# Altium PCB Wolf-Lite_UM.PcbDoc
Units mm, origin at the board's own origin, x right, y up, seen from the top; angles counter-clockwise.
Board outline 136.3 x 62 mm, 2 copper layers (Top Layer, Bottom Layer), stack 1.671 mm thick; 150 components, 73 nets, 439 pads, 141 vias.
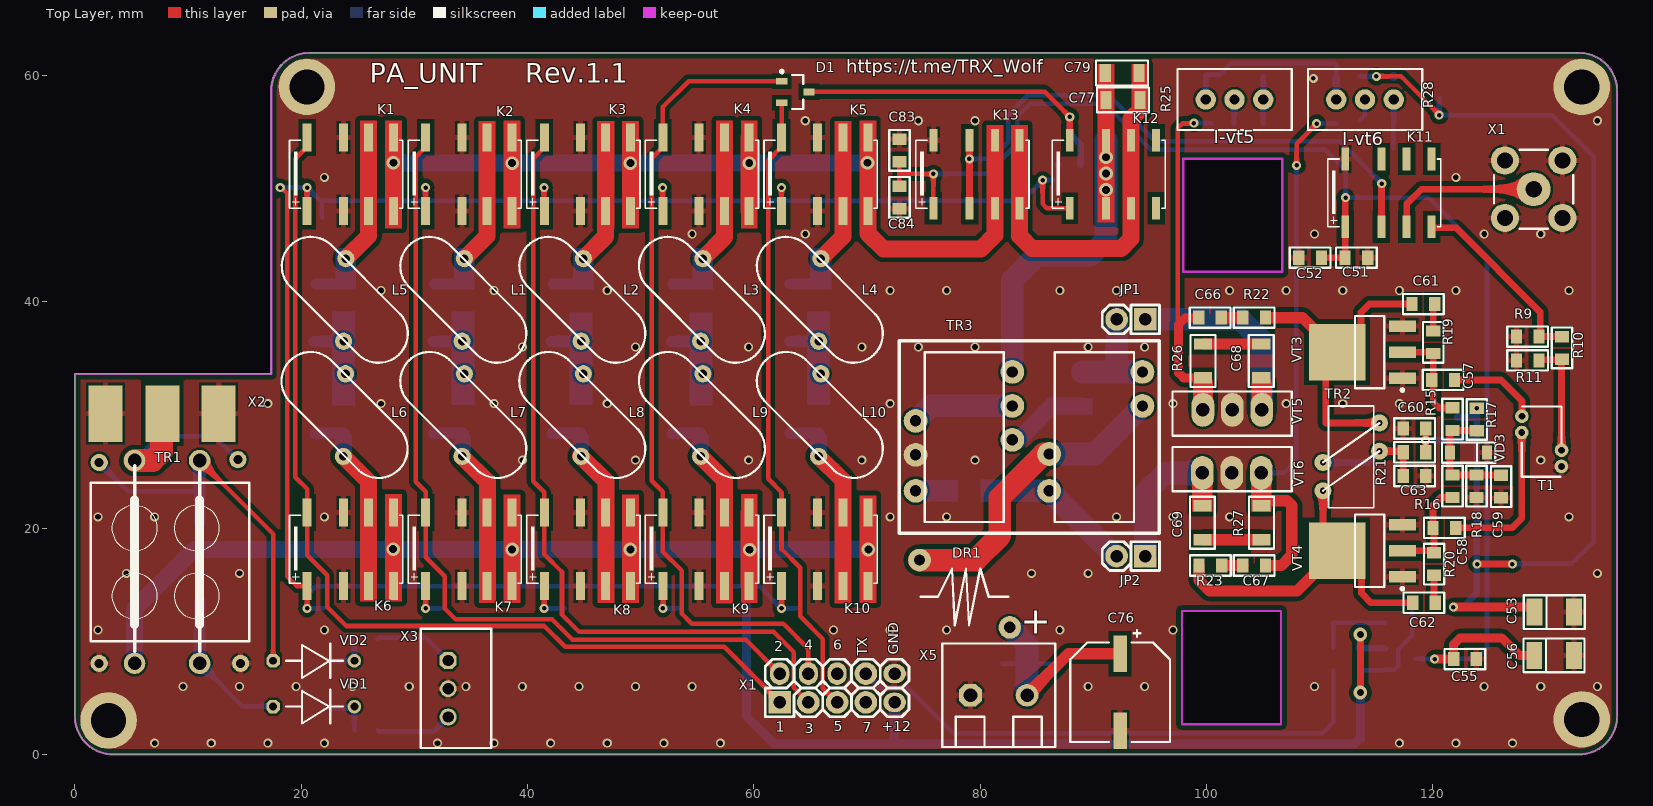
[diagram p0: Top Layer view]
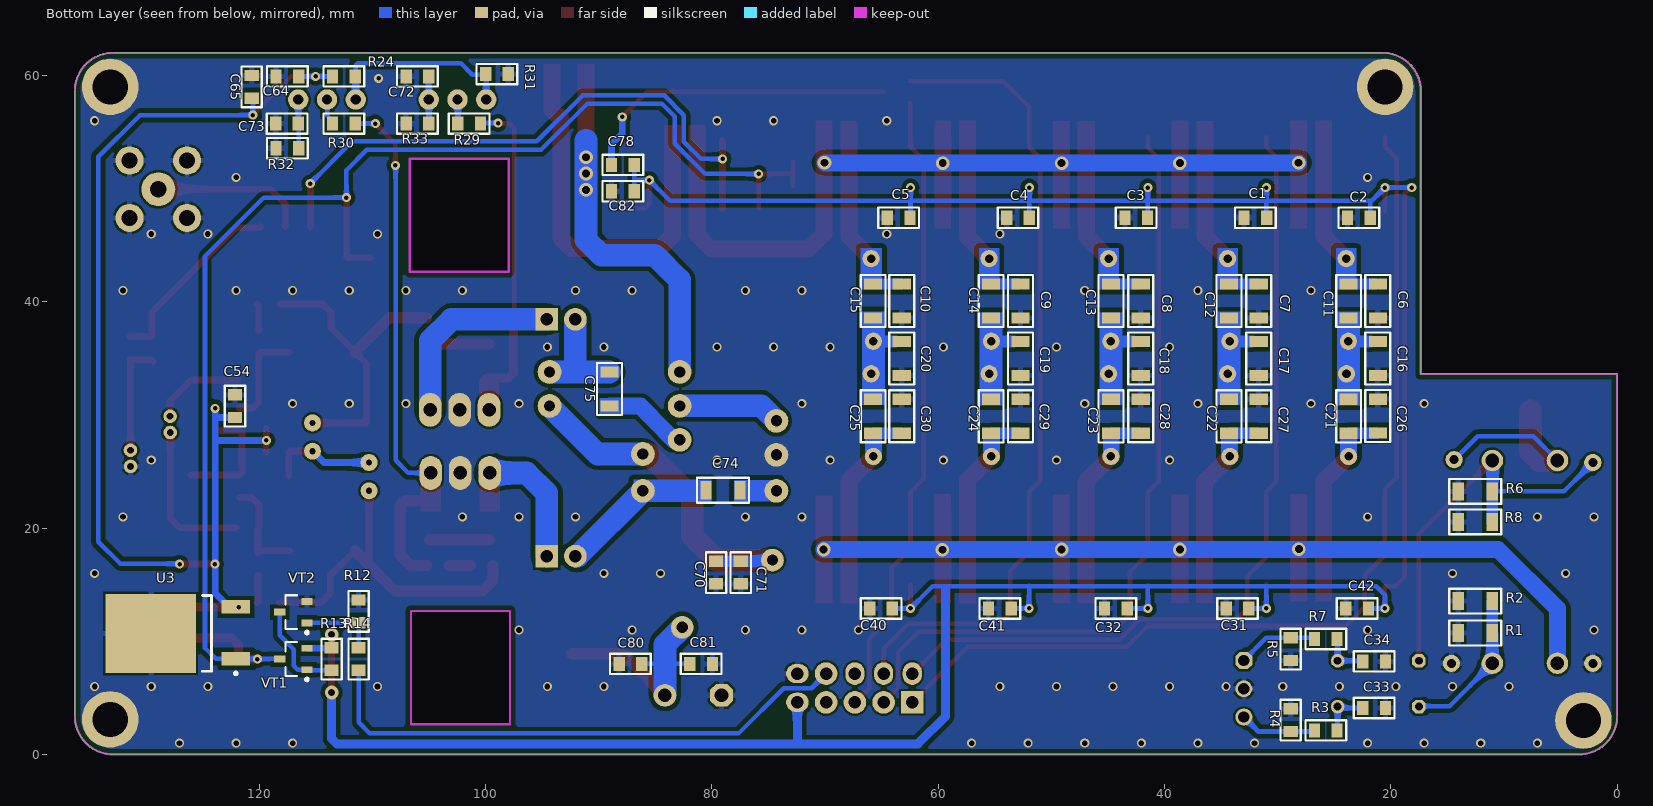
[diagram p1: Bottom Layer view, seen from below]

## Layer stack, top to bottom
Top Solder: solder mask 0.0102, Solder Resist, Dk 3.5
Top Layer: signal copper 0.0356
Dielectric 1: dielectric 1.6, FR-4, Dk 4.8
Bottom Layer: signal copper 0.0356
Bottom Solder: solder mask 0.0102, Solder Resist, Dk 3.5

## Board outline
3.375,0 cw(c3.375,3.375) 0,3.375 0,33.625 17.35,33.625 17.35,58.625 cw(c20.725,58.625) 20.725,62 132.925,62 cw(c132.925,58.625) 136.3,58.625 136.3,3.375 cw(c132.925,3.375) 132.925,0
cut-out: 97.95,42.65 97.95,52.65 106.7,52.65 106.7,42.65
cut-out: 97.85,2.675 97.85,12.675 106.6,12.675 106.6,2.675

## Design rules (kind name [scope] priority, off if disabled: settings)
BoardOutlineClearance [All] p1: gap=0.3 ignorepadtopadclearanceinfootprint=FALSE
Clearance ZAZOR [InNetClass('ZAZOR')] p1: gap=0.4 ignorepadtopadclearanceinfootprint=FALSE except(0.8: Arc-Fill Arc-Poly Arc-Region Track-Fill Track-Poly Track-Region SMDPad-Fill SMDPad-Poly SMDPad-Region THPad-Fill THPad-Poly THPad-Region Via-Fill Via-Poly Via-Region Fill-Fill Fill-Poly Fill-Region Poly-Poly Poly-Region Region-Region)
Clearance Clearance_NPTH [All vs InPadClass('NPTH')] p2: gap=0.4 ignorepadtopadclearanceinfootprint=FALSE except(0: Arc-Hole Track-Hole SMDPad-Hole THPad-Hole Via-Hole Fill-Hole Poly-Hole Region-Hole Text-Hole)
Clearance Clearance_MultiLayerPad [OnLayer('Multi-Layer') and IsPad] p3: gap=0.2 ignorepadtopadclearanceinfootprint=FALSE except(0: Arc-Hole Track-Hole SMDPad-Hole THPad-Hole Via-Hole Fill-Hole Poly-Hole Region-Hole Text-Hole)
Clearance Clearance_Polygon [InPolygon] p4: gap=0.4 ignorepadtopadclearanceinfootprint=FALSE except(0: Arc-Hole Track-Hole SMDPad-Hole THPad-Hole Via-Hole Fill-Hole Poly-Hole Region-Hole Text-Hole; 1: Poly-Poly)
Clearance [All] p5: gap=0.15 ignorepadtopadclearanceinfootprint=FALSE except(0: Arc-Hole Track-Hole SMDPad-Hole THPad-Hole Via-Hole Fill-Hole Poly-Hole Region-Hole Text-Hole)
Height [All] p1: minheight=0 maxheight=60 prefheight=12.7
HoleSize [All] p1: absolutevalues=TRUE maxlimit=5 minlimit=0.025 maxpercent=80.000 minpercent=20.000
HoleToHoleClearance [All] p1: gap=0.2 allowstackedmicrovias=TRUE
MinimumSolderMaskSliver [All] p1: minsoldermaskwidth=0.05
PlaneClearance [All] p1: clearance=0.5
PlaneConnect [All] p1: planeconnectstyle=Relief reliefexpansion=0.5 reliefentries=4 reliefconductorwidth=0.3 reliefairgap=0.2
PolygonConnect PolygonConnect_PowerPAD [All vs InPadClass('PowerPAD')] p1: connectstyle=Relief reliefconductorwidth=1 reliefentries=4 polygonreliefangle="90 Angle" airgapwidth=0.3
PolygonConnect PolygonConnect_PadGND [InNet('GND') and IsPad] p2: connectstyle=Relief reliefconductorwidth=0.5 reliefentries=4 polygonreliefangle="90 Angle" airgapwidth=0.2
PolygonConnect PolygonConnect_Via [IsVia] p3: connectstyle=Direct reliefconductorwidth=0.254 reliefentries=4 polygonreliefangle="90 Angle" airgapwidth=0.254
PolygonConnect [All] p4: connectstyle=Relief reliefconductorwidth=0.6 reliefentries=4 polygonreliefangle="90 Angle" airgapwidth=0.3
RoutingVias [All] p1: holewidth=0.3 width=0.7 viastyle="Through Hole" minholewidth=0.3 minwidth=0.7 maxholewidth=0.5 maxwidth=1.2
SilkToSilkClearance [All] p1: silktosilkclearance=0
SilkToSolderMaskClearance [IsPad] p1: minsilkscreentomaskgap=0.05 clearancetoexposedcopper=TRUE
SolderMaskExpansion [All] p1: expansion=0.075 istentingtop=FALSE
Width [All] p1: maxlimit=10 minlimit=0.15 preferedwidth=0.4
22 further rules are at their usual default settings.

## Classes and differential pairs
component class Wolf-Lite_LPF: C1 C2 C3 C4 C5 C6 C7 C8 C9 C10 C11 C12 C13 C14 C15 C16 C17 C18 C19 C20 C21 C22 C23 C24 C25 C26 C27 C28 C29 C30 C31 C32 C33 C34 C40 C41 C42 D1 K1 K2 K3 K4 K5 K6 K7 K8 K9 K10 L1 L2 L3 L4 L5 L6 L7 L8 L9 L10 R1 R2 R3 R4 R5 R6 R7 R8 TR1 VD1 VD2 X1 X2 X3
component class Wolf-Lite_UM: C51 C52 C53 C54 C55 C56 C57 C58 C59 C60 C61 C62 C63 C64 C65 C66 C67 C68 C69 C70 C71 C72 C73 C74 C75 C76 C77 C78 C79 C80 C81 C82 C83 C84 DR1 JP1 JP2 K11 K12 K13 R9 R10 R11 R12 R13 R14 R15 R16 R17 R18 R19 R20 R21 R22 R23 R24 R25 R26 R27 R28 R29 R30 R31 R32 R33 T1 TR2 TR3 U3 VD3 VT1 VT2 VT3 VT4 VT5 VT6 X1 X5

## Components (designator, comment, footprint, x,y, rotation, side; value= is the part's Value field where it differs from the comment)
C1 "0.1" CH0805C 31.975,47.425 r180 bottom
C2 "0.1" CH0805C 22.825,47.425 r180 bottom
C3 "0.1" CH0805C 42.5,47.425 r180 bottom
C4 "0.1" CH0805C 52.95,47.425 r180 bottom
C5 "0.1" CH0805C 63.5,47.425 r180 bottom
C6 "1.5nF" CH1206C 21.15,40.075 r270 bottom
C7 "1n" CH1206C 31.675,40.075 r270 bottom
C8 "470p" CH1206C 42.1,40.075 r270 bottom
C9 "157p" CH1206C 52.725,40.075 r270 bottom
C10 "100p" CH1206C 63.225,40.075 r270 bottom
C11 "220p" CH1206C 23.725,40.075 r90 bottom
C12 "100p" CH1206C 34.3,40.075 r90 bottom
C13 "47p" CH1206C 44.725,40.075 r90 bottom
C14 "33p" CH1206C 55.325,40.075 r90 bottom
C15 "22p" CH1206C 65.75,40.075 r90 bottom
C16 "3nF" CH1206C 21.15,34.988 r270 bottom
C17 "2nF" CH1206C 31.675,34.987 r270 bottom
C18 "1n" CH1206C 42.1,34.988 r270 bottom
C19 "330p" CH1206C 52.725,34.987 r270 bottom
C20 "200p" CH1206C 63.225,34.988 r270 bottom
C21 "220p" CH1206C 23.725,29.875 r90 bottom
C22 "100p" CH1206C 34.3,29.875 r90 bottom
C23 "47p" CH1206C 44.725,29.875 r90 bottom
C24 "33p" CH1206C 55.325,29.875 r90 bottom
C25 "22p" CH1206C 65.75,29.884 r90 bottom
C26 "1.5nF" CH1206C 21.15,29.9 r90 bottom
C27 "1n" CH1206C 31.675,29.884 r90 bottom
C28 "470p" CH1206C 42.1,29.884 r90 bottom
C29 "157p" CH1206C 52.725,29.884 r90 bottom
C30 "100p" CH1206C 63.225,29.884 r90 bottom
C31 "0.1" CH0805C 33.55,12.9 r180 bottom
C32 "0.1" CH0805C 44.3,12.9 r180 bottom
C33 "0.1" CH0805C 21.475,4.1 r180 bottom
C34 "0.1" CH0805C 21.475,8.225 r180 bottom
C40 "0.1" CH0805C 65.05,12.9 r180 bottom
C41 "0.1" CH0805C 54.55,12.9 r180 bottom
C42 "0.1" CH0805C 22.975,12.9 r180 bottom
C51 "0.1" CH0805C 113.25,43.9 r180 top
C52 "0.1" CH0805C 109.175,43.9 r180 top
C53 "22x16" TANTAL_B 130.75,12.575 r0 top
C54 "0.1" CH0805C 122.15,30.775 r270 bottom
C55 "0.1" CH0805C 122.85,8.425 r180 top
C56 "22x16" TANTAL_B 130.725,8.75 r0 top
C57 "10n" CH0805C 120.925,33.1 r180 top
C58 "10n" CH0805C 121.025,20.025 r180 top
C59 "0.1" CH0805C 126.05,23.675 r270 top
C60 "0.1" CH0805C 118.396,28.8 r0 top
C61 "10n" CH0805C 119.175,39.8 r180 top
C62 "10n" CH0805C 119.225,13.4 r180 top
C63 "0.1" CH0805C 118.396,24.6 r180 top
C64 "0.1" CH0805C 117.525,59.925 r0 bottom
C65 "0.1" CH0805C 120.675,59 r90 bottom
C66 "10n" CH0805C 100.325,38.6 r180 top
C67 "10n" CH0805C 104.225,16.7 r0 top
C68 "10n" CH1206C 104.845,34.775 r270 top
C69 "10n" CH1206C 99.65,20.475 r90 top
C70 "0.1" CH0805C 79.625,16.075 r270 bottom
C71 "0.1" CH0805C 77.45,16.075 r270 bottom
C72 "0.1" CH0805C 106.025,59.925 r180 bottom
C73 "0.1" CH0805C 117.55,55.75 r180 bottom
C74 "0.1" CH1206C 79.025,23.35 r180 bottom
C75 "0.1" CH1206C 89.05,32.3 r270 bottom
C76 "220x35" D8C3.2H12 92.375,5.499 r270 top
C77 "100p" CH1206C 92.625,57.85 r180 top
C78 "0.1" CH0805C 87.875,52.1 r180 bottom
C79 "100p" CH1206C 92.55,60.225 r180 top
C80 "0.1" CH0805C 87.2,8 r180 bottom
C81 "0.1" CH0805C 80.95,8 r0 bottom
C82 "0.1" CH0805C 87.875,49.775 r180 bottom
C83 "0.1" CH0805C 72.875,53.375 r270 top
C84 "0.1" CH0805C 72.875,49.225 r90 top
D1 "BAT54A" SOT23_132#1 63.675,58.55 r0 top
DR1 "10uH" DR2 80.65,14.175 r270 top
JP1 "JP1" "CON: PLS-2" 93.333,38.45 r180 top
JP2 "JP2" "CON: PLS-2" 93.333,17.525 r180 top
K1 "Relay_IM06 GR 12v to BPF" IM06 24,51.275 r0 top
K2 "Relay_IM06 GR 12v to BPF" IM06 34.481,51.275 r0 top
K3 "Relay_IM06 GR 12v to BPF" IM06 44.962,51.275 r0 top
K4 "Relay_IM06 GR 12v to BPF" IM06 55.444,51.275 r0 top
K5 "Relay_IM06 GR 12v to BPF" IM06 65.925,51.275 r0 top
K6 "Relay_IM06 GR 12v to BPF" IM06 24,18.125 r0 top
K7 "Relay_IM06 GR 12v to BPF" IM06 34.481,18.125 r0 top
K8 "Relay_IM06 GR 12v to BPF" IM06 44.962,18.125 r0 top
K9 "Relay_IM06 GR 12v to BPF" IM06 55.444,18.125 r0 top
K10 "Relay_IM06 GR 12v to BPF" IM06 65.925,18.125 r0 top
K11 "IM06" IMG06 115.75,49.625 r0 top
K12 "IM06" IMG06 91.4,51.275 r0 top
K13 "IM06" IMG06 79.35,51.275 r0 top
L1 "1,9 uH" T50-2 34.225,40.05 r225 top
L2 "1uH" T50-6 44.883,40.05 r225 top
L3 "0,6 uH" T50-6 55.45,40.05 r225 top
L4 "0,26 uH" T50-6 65.875,40.05 r225 top
L5 "3.9 uH" T50-2 23.75,40.05 r225 top
L6 "3,9 uH" T50-2 23.725,29.875 r225 top
L7 "1,9 uH" T50-2 34.225,29.875 r225 top
L8 "1uH" T50-6 44.883,29.875 r225 top
L9 "0,6 uH" T50-6 55.45,29.875 r225 top
L10 "0,26 uH" T50-6 65.875,29.875 r225 top
R1 "100" CH1206R 12.537,10.725 r0 bottom
R2 "100" CH1206R 12.537,13.55 r0 bottom
R3 "0" CH0805R 25.75,2.125 r0 bottom
R4 "510" CH0805R 28.85,3.025 r270 bottom
R5 "510" CH0805R 28.85,9.3 r90 bottom
R6 "100" CH1206R 12.537,23.25 r0 bottom
R7 "0" CH0805R 25.75,10.2 r0 bottom
R8 "100" CH1206R 12.537,20.55 r0 bottom
R9 "300" CH0805R 128.4,36.925 r0 top
R10 "18" CH0805R 131.425,35.925 r270 top
R11 "300" CH0805R 128.4,34.825 r0 top
R12 "10K" CH0805R 111.219,12.65 r270 bottom
R13 "10K" CH0805R 113.607,8.425 r90 bottom
R14 "1K" CH0805R 111.219,8.425 r90 bottom
R15 "330" CH0805R 121.75,29.625 r90 top
R16 "330" CH0805R 121.75,23.7 r90 top
R17 "150*" CH0805R 123.9,29.6 r90 top
R18 "330" CH0805R 123.875,23.7 r90 top
R19 "330" CH0805R 120.05,36.425 r270 top
R20 "330" CH0805R 120.125,16.825 r90 top
R21 "10" CH0805R 118.396,26.7 r180 top
R22 "33" CH0805R 104.225,38.6 r180 top
R23 "33" CH0805R 100.35,16.7 r0 top
R24 "330" CH0805R 112.525,59.925 r180 bottom
R25 "" "RES: 3296W" 99.944,57.875 r0 top
R26 "2,2K" CH1206R 99.7,34.775 r90 top
R27 "2,2K" CH1206R 104.875,20.475 r270 top
R28 "" "RES: 3296W" 111.475,57.875 r0 top
R29 "1K" CH0805R 101.45,55.75 r180 bottom
R30 "1K" CH0805R 112.525,55.75 r180 bottom
R31 "1K" CH0805R 99,60.125 r180 bottom
R32 "2.2K" CH0805R 117.525,53.575 r0 bottom
R33 "2.2K" CH0805R 106.025,55.75 r0 bottom
T1 "BN-43-302" FT-37-43 130.475,24.65 r180 top
TR1 "BN43-302" TANDEM 7.9,17 r90 top
TR2 "TR-kolco" TR-Kolco 110.8,30.775 r0 top
TR3 "TR-UM" TR-UM 72.8,36.475 r0 top
U3 "LM7809" DPAK 125.325,10.75 r0 bottom
VD1 "BAT46JFILM" D9B 20.75,4 r90 top
VD2 "BAT46JFILM" D9B 20.75,8.05 r90 top
VD3 "1N4148" SOD123 121.525,26.675 r0 top
VT1 "IRFR6402" SOT23_132#2 116.992,8.425 r0 bottom
VT2 "" SOT23_123 116.992,12.575 r0 bottom
VT3 "BFG591" BFG 120.95,35.65 r180 top
VT4 "BFG591" BFG 120.95,18.1 r180 top
VT5 "RD16HHF1" rd16 101.772,34.175 r0 top locked
VT6 "RD16HHF1" rd16 102.775,21.15 r180 top locked
X1 "PLD10" "CON: PLD-10" 67.365,5.87 r0 top
X1 "TX-IN" "CON: SMA" 128.925,49.95 r0 top
X2 "TX/RX" Connect 7.711,30.396 r90 top
X3 "" "CON: CWF-3" 32.988,5.806 r270 top
X5 "" "CON: 300-02P-5.0" 81.65,5.225 r0 top

## Footprints (in the part's own frame and the unit in brackets; to place one, negate y for a bottom-side part, rotate by r counter-clockwise, add the part's x,y. Pads: shape width x height; smd on the part's side, far side on the other; paste and mask are expansions set on the pad)
BFG [mm]
  rect 5x5 smd: 1(9.4,0.1)
  rect 2.4x1 smd: 2(3.625,0.1) 3(3.625,-2.2) 3(3.625,2.4)
  round 0.5 on Mech1: ""(3.525,2.8)
  silkscreen extent 3.5,-3.1 7.82,3.57, body extent 3.05,-3.27 10.01,3.22, height 1.65
CH0805C [mm] "Chip Capacitor, 2-Leads, Body 2,00x1,20mm, IPC Medium Density"
  rect 1x1.25 smd: 1(-1,0) 2(1,0)
  silkscreen extent -1.8,-0.9 1.8,0.9, body extent -1,-0.62 1,0.63, height 0.78
CH0805R [mm]
  rect 1x1.25 smd: 1(-1,0) 2(1,0)
  silkscreen extent -1.8,-0.9 1.8,0.9, body extent -1,-0.6 1,0.6, height 0.44
CH1206C [mm] "Non polar chip capacitor, size 1206"
  rect 1x1.6 smd: 1(-1.5,0) 2(1.5,0)
  silkscreen extent -2.3,-1.1 2.3,1.1, body extent -1.6,-0.8 1.6,0.8, height 1
CH1206R [mm] "Chip Resistor, 2-Leads, Body 3,0x1,5mm, IPC Low Density"
  rect 1x1.6 smd: 1(-1.5,0) 2(1.5,0)
  silkscreen extent -2.3,-1.1 2.3,1.1, body extent -1.65,-0.8 1.55,0.8, height 0.47
"CON: 300-02P-5.0" [mm] "2 pin 5.08mm screw connector"
  oct 2x2 hole 1.2: 1(-2.5,0)
  round 2 hole 1.2: 2(2.5,0)
  round 0.5 on Mech1: 13(-4.4,-3.9)
  silkscreen extent -5,-4.57 5,4.57, body extent -5.08,-4.44 5.08,4.56, height 12.5
"CON: CWF-3" [mm]
  oct 1.5x1.5 hole 1: 1(-2.5,0)
  round 1.5 hole 1: 2(0,0) 3(2.5,0)
  round 0.5 on Mech1: 28(-4.5,-1.7)
  silkscreen extent -5.29,-2.41 5.25,3.81, body extent -5,-2.2 5,3.55, height 7
"CON: PLD-10" [mm]
  rect 2x2 hole 1.1: 1(-5.08,-1.27)
  oval 1.7x2 hole 1.1: 2(-5.08,1.27) 4(-2.54,1.27) 6(0,1.27)
  round 2 hole 1.1: 3(-2.54,-1.27) 5(0,-1.27) 7(2.54,-1.27) 8(2.54,1.27)
  oval 2x1.7 hole 1.1: 9(5.08,-1.27) 10(5.08,1.27)
  silkscreen extent -6.35,-2.54 6.35,2.54, body extent -6.35,-2.54 6.35,2.54, height 8.54
"CON: PLS-2" [mm]
  rect 2x2 hole 1.1: 1(-1.27,0)
  round 2 hole 1.1: 2(1.27,0)
  silkscreen extent -2.54,-1.27 2.54,1.27, body extent -2.57,-1.28 2.51,1.26, height 8.54
"CON: SMA" [mm]
  round 3 hole 1.45: 1(0,0)
  round 2.5 hole 1.4: 2(-2.54,-2.54) 2(-2.54,2.54) 2(2.54,-2.54) 2(2.54,2.54)
  silkscreen extent -3.5,-3.5 3.5,3.5, body extent -3.5,-3.5 3.5,3.5, height 9.53
Connect [mm]
  rect 5x3 smd: 1(-0.271,-0.014) 2(-0.271,5) 2(-0.271,-5)
D8C3.2H12 [mm]
  rect 3.2x1.2 smd: 1(-3.4,0) 2(3.4,0)
  round 0.5 on Mech1: ""(-4.3,-3.7)
  silkscreen extent -5.5,-4.4 4.4,4.4, body extent -4.85,-4.25 4.85,4.25, height 10.5
D9B [mm] "Диод"
  oct 1.2x1.2 hole 0.7: 1(0.225,3.225)
  round 1.2 hole 0.7: 2(0.225,-3.95)
  silkscreen extent -1.27,-2.93 1.73,2.07, body extent -0.77,-4.13 1.23,3.37, height 3
DPAK [mm] "D-Pak, Body 6,2x6,7mm"
  rect 2.5x1.2 smd: 1(-3.25,2.29) 3(-3.25,-2.29)
  rect 8x7 smd: 2(4.25,0.075)
  round 0.5 on Mech2: ""(-3.2,2.9)
  silkscreen extent -3.37,-3.3 -0.3,3.71, body extent -3.8,-3.32 6.3,3.42, height 2.37
DR2 [mm]
  round 2 hole 1: 1(-3,-6) 2(2.95,1.975)
  silkscreen extent -2.25,-5.89 2.75,1.86, body extent -3.4,-6.4 3.4,2.4, height 7.8
FT-37-43 [mm]
  round 1.2 hole 0.6: 1(-0.911,-2.234) 2(2.589,-5.234) 3(-0.9,-0.8) 4(2.6,-3.8)
  silkscreen extent -0.9,-6.1 2.6,0.1, body extent 0,-5.98 1.65,-0.03, height 5.97
IM06 [mm]
  rect 0.8x2.5 smd: 1(-3.475,-3.25) 2(-0.275,-3.25) 3(1.95,-3.25) 4(4.15,-3.25) 5(4.15,3.25) 6(1.95,3.25) 7(-0.275,3.25) 8(-3.475,3.25)
  silkscreen extent -5.02,-3 4.98,3, body extent -4.68,-3.72 5.32,3.78, height 5.7
IMG06 [mm]
  rect 0.7x2 smd: 1(-3.475,-3) 2(-0.275,-3) 3(1.95,-3) 4(4.15,-3) 5(4.15,3) 6(1.95,3) 7(-0.275,3) 8(-3.475,3)
  silkscreen extent -5.02,-3 4.98,3, body extent -4.68,-3.72 5.32,3.78, height 5.7
rd16 [mm] "RD16"
  oval 2x3 hole 1.2: 1(-2.075,-3.725) 2(0.525,-3.725) 3(3.125,-3.725)
  silkscreen extent -4.77,-6.01 5.77,-2.11, body extent -4.25,-4.01 5.25,19.6, height 1.19
"RES: 3296W" [mm]
  round 1.8 hole 0.9: 1(0,0) 2(2.54,0) 3(5.08,0)
  round 0.5 on Top Overlay: 4(-3,2.5)
  silkscreen extent -2.5,-2.7 7.6,2.7, body extent -2.22,-2.4 7.31,2.4, height 11.55
SOD123 [mm]
  rect 0.91x1.22 smd: 1(0,0) 2(3.275,0)
  round 0.5 on Mech1: 4(3,0.4)
  silkscreen extent -0.7,-0.9 4,0.9, body extent -0.25,-0.8 3.45,0.8, height 1.25
SOT23_123 [mm] "SOT23, 3-Leads, Body 3,0x2,6mm (max), Pitch 0,95mm, IPC Medium Density"
  rect 1x0.6 smd: 1(-1.2,0.95) 2(1.2,0) 3(-1.2,-0.95)
  round 0.5 on Mech2: ""(-0.9,1.1)
  silkscreen extent -1.32,-1.5 0.7,1.92, body extent -1.32,-1.52 1.32,1.52, height 1.12
SOT23_132#1 [mm] "SOT23, 3-Leads, Body 3,0x2,6mm (max), Pitch 0,95mm, IPC Medium Density"
  rect 1x0.6 smd: 1(-1.2,0.95) 2(-1.2,-0.95) 3(1.2,0)
  round 0.5 on Mech1: ""(-0.9,1.1)
  silkscreen extent -1.32,-1.5 0.7,1.92, body extent -1.32,-1.52 1.32,1.52, height 1.12
SOT23_132#2 [mm] "SOT23, 3-Leads, Body 3,0x2,6mm (max), Pitch 0,95mm, IPC Medium Density"
  rect 1x0.6 smd: 1(-1.2,0.95) 2(-1.2,-0.95) 3(1.2,0)
  round 0.5 on Mech2: ""(-0.9,1.1)
  silkscreen extent -1.32,-1.5 0.7,1.92, body extent -1.32,-1.52 1.32,1.52, height 1.12
T50-2 [mil]
  round 60 hole 30: 1(-110.24,-99.41) 2(98.43,98.42)
  silkscreen extent -108,-268 95,267, body extent -96,-256 85,256, height 515
T50-6 [mil]
  round 60 hole 30: 1(-106.3,-103.35) 2(102.36,94.49)
  silkscreen extent -104,-272 99,263, body extent -93,-260 89,252, height 515
TANDEM [mm]
  round 1.9 hole 1.2: 1(-8.95,-3.125) 2(8.975,-3.125) 3(8.975,2.625) 4(-8.95,2.625)
  round 1.524 hole 0.8: 5(-8.95,5.75) 6(9.05,-6.5) 7(-8.95,-6.75) 8(8.8,5.75)
  silkscreen extent -7.88,-7.5 8.5,6.5, body extent -4.8,-7 5.45,6.2, height 7.55
TANTAL_B [mm]
  rect 1.4x2.4 smd: 1(-1.75,0) 2(1.75,0)
  round 0.5 on Mech1: ""(-1.4,1)
  silkscreen extent -2.7,-1.5 2.7,1.5, body extent -1.85,-1.46 1.85,1.47, height 2.03
TR-Kolco [mm]
  round 1.5 hole 0.55: 1(4.5,-1.475) 2(-0.5,-4.975) 3(4.5,-3.975) 4(-0.5,-7.475)
  silkscreen extent -0.5,-8.97 4.5,0.03, body extent 0.78,-7.5 3.28,-1.2, height 6.35
TR-UM [mm]
  round 2.1 hole 1: 1(21.55,-2.675) 2(13.3,-13.175) 3(10.05,-8.675) 4(1.5,-13.175) 5(13.3,-9.925) 5(21.55,-5.675) 6(10.05,-2.675) 7(1.5,-10) 8(10.05,-5.675) 9(1.5,-7)
  silkscreen extent 0.05,-16.92 23.05,0.08, body extent 2.6,-14.67 20.6,-1.97, height 12.7

## Part data
C1 C2 C3 C4 C5 C6 C7 C8 C9 C10 C11 C12 C13 C14 C15 C16 C17 C18 C19 C20 C21 C22 C23 C24 C25 C26 C27 C28 C29 C30 C31 C32 C40 C41 C42: library part C_smd
C33 C34 C51 C52 C54 C55 C57 C58 C59 C60 C61 C62 C63 C64 C65 C66 C67 C68 C69 C70 C71 C72 C73 C74 C75 C77 C78 C79 C80 C81 C82 C83 C84: library part Capacitor
C53 C56 C76: library part AlumCap
D1: library part BAT54
DR1: library part Inductor-1
JP1: library part JP2
K11 K12 K13: library part IM06-1
L1 L2 L3 L4 L5 L6 L7 L8 L9 L10: library part L
R1 R2 R3 R4 R5 R6 R7 R8 R9 R10 R11 R12 R13 R14 R15 R16 R17 R18 R19 R20 R21 R22 R23 R24 R26 R27 R29 R30 R31 R32 R33: library part Resistor
R25 R28: library part "ADJ resistor"
U3: library part Kren_5
VD1 VD2 VD3: library part Diod
VT1: library part P-KANAL
VT2 VT3 VT4: library part N-P-N
VT5 VT6: library part N
X1: library part 10-Connector
X1 X2: library part SMA, "RF", System=Connector
X3: library part 3-Connector
X5: library part 2-Connector

## Free pads (board coordinates)
  round 5 hole 3.1: 3(2.975,3) 3(20.5,59) 3(133.175,3.1) 3(133.175,59)

## Via types
v1: diameter 0.8, hole 0.5, Top Layer to Bottom Layer, tented both sides, 97 vias
v2: diameter 0.8, hole 0.4, Top Layer to Bottom Layer, tented both sides, 29 vias
v3: diameter 1.2, hole 0.7, Top Layer to Bottom Layer, 13 vias
v4: diameter 1.2, hole 0.6, Top Layer to Bottom Layer, tented both sides, 2 vias

## Nets (pads, with @x,y where several pads share a name; then routed paths per layer and width w, separated by ;. In a path a pad name is that pad's centre, name@x,y a point inside that pad or via, vN(x,y) a via of type N, cw(c..) or ccw(c..) an arc to the next point about the centre after c; other vN are vias at no path point)
1.8: K1.8 K6.8 X1.1@62.285,4.6 | length 86.6
  Top Layer w0.4: K1.8 20.525,53.7 19.475,52.65 19.475,24.5 20.525,23.45 K6.8 20.525,17.6 22.3,15.825 22.3,13.025 23.975,11.35 41.475,11.35 43.325,9.5 57.385,9.5 X1.1@62.285,4.6
3.5: K2.8 K7.8 X1.2@62.285,7.14 | length 75
  Top Layer w0.4: K2.8 31.006,53.681 30.125,52.8 30.125,24.1 31.006,23.219 K7.8 31.006,17.419 32.675,15.75 32.675,12.9 33.65,11.925 42.175,11.925 43.95,10.15 59.275,10.15 X1.2@62.285,7.14
5.8: K3.8 K8.8 X1.3 | length 70.5
  Top Layer w0.4: K3.8 41.487,53.637 40.5,52.65 40.5,24.15 41.487,23.163 K8.8 41.487,17.688 43.05,16.125 43.05,12.35 44.575,10.825 61.75,10.825 63.55,9.025 63.55,5.901 64.825,4.626 X1.3
8-17: D1.1 K4.8 K9.8 X1.4 | length 72.4
  Top Layer w0.4: D1.1 54.25,59.5 51.969,57.219 K4.8 51.969,53.669 50.975,52.675 50.975,24.2 51.969,23.206 K9.8 51.969,17.906 53.625,16.25 53.625,12.45 54.525,11.55 62.625,11.55 64.825,9.35 X1.4
17-32: D1.2 K5.8 K10.8 X1.5 | length 56
  Top Layer w0.4: D1.2 62.475,54.55 K5.8 62.45,53.7 61.275,52.525 61.275,24.35 62.45,23.175 K10.8 62.45,18.15 64.1,16.5 64.1,12.2 66.115,10.185 66.115,5.85 X1.5
+9: C53.1 C54.2 C60.2 C64.1 C65.1 R17.2 R21.1 R24.1 U3.3 | length 104.9
  Top Layer w0.4: v2(115.025,59.925) 117.2,59.925 v2@120.575,56.55
  Top Layer w0.6: R21.1 C60.2 ; v2(123.925,16.825) v2(127.05,16.825)
  Top Layer w0.8: v2(121.825,13.025) C53.1@129.025,13.025
  Bottom Layer w0.4: R24.1 C64.1 ; C65.1 120.575,57.9 v2(120.575,56.5) 130.55,56.5 134.225,52.825 134.225,18.8 132.275,16.85 v2@126.975,16.85
  Bottom Layer w0.6: v2(119.375,27.75) 123.775,27.75 ; C54.2 123.825,29.775 123.9,29.7 ; U3.3@123.05,13.4 123.9,14.25 123.9,29.7 ; v2(123.9,30.58) 123.9,29.7
+12: C1.2 C2.2 C3.2 C4.2 C5.2 C31.2 C32.2 C40.2 C41.2 C42.2 C78.2 C82.2 K1.1 K2.1 K3.1 K4.1 K5.1 K6.1 K7.1 K8.1 K9.1 K10.1 K12.1 R13.2 VT1.2 X1.9 | length 288.1
  Top Layer w0.4: v2@18.275,50.075 18.775,49.575 18.775,15.725 19.625,14.875 K6.1 v2@20.525,12.725 ; K1.1 v2(20.525,50.1) ; v2@31,12.875 K7.1@31,15.025 ; K2.1@31,47.875 v2@31,49.95 ; v2@41.475,12.85 K8.1@41.475,15 ; K3.1@41.475,47.8 v2@41.475,49.875 ; K4.1@51.95,47.75 v2@51.95,49.825 ; v2@51.975,12.825 K9.1@51.975,14.975 ; v2@62.45,12.85 K10.1@62.45,15 ; K5.1@62.45,47.75 v2@62.45,49.825 ; v2(85.525,50.75) 85.525,48.65 85.9,48.275 K12.1
  Top Layer w0.6: v4(113.615,5.469) v4(113.615,10.6)
  Bottom Layer w0.4: v2(18.15,50.1) v2(20.525,50.1) 21.7,48.925 ; C2.2@21.875,47.425 21.8,47.5 21.8,48.825 21.7,48.925 ; C42.2 v2(20.525,12.9) 20.525,14.1 21.275,14.85 30.975,14.85 ; C1.2 31,47.45 31,48.925 ; v2(31,50.1) 31,48.925 ; C31.2 v2(31,12.9) 31,14.825 30.975,14.85 ; C3.2@41.45,47.425 41.475,47.45 41.475,48.925 ; v2(41.475,50.1) 41.475,48.925 ; C32.2 v2(41.475,12.9) 41.475,14.825 41.5,14.85 ; C4.2 51.95,48.9 51.925,48.925 ; v2(51.95,50.1) 51.95,48.95 51.925,48.925 ; C41.2 v2(51.975,12.9) 51.975,14.8 52.025,14.85 ; v2(62.45,50.1) 62.45,48.925 ; C5.2 62.45,47.475 62.45,48.925 ; C40.2 v2(62.45,12.9) 60.5,14.85 59.35,14.85 52.025,14.85 ; C82.2 86.875,50.775 ; C78.2 86.875,50.775 ; 21.7,48.925 31,48.925 ; 30.975,14.85 41.5,14.85 ; 31,48.925 41.475,48.925 ; 41.475,48.925 51.925,48.925 ; 41.5,14.85 52.025,14.85 ; 51.925,48.925 62.45,48.925 ; 62.45,48.925 83.7,48.925 v2(85.525,50.75) 86.85,50.75 86.875,50.775
  Bottom Layer w0.6: R13.2 v4@113.607,10.517 ; R13.2@113.657,9.375 VT1.2
  Bottom Layer w0.8: 59.35,14.625 59.35,3.381 61.806,0.925 72.475,0.925 ; X1.9 72.445,0.955 72.475,0.925 ; R13.2 R13.2@113.657,9.375 ; v4(113.615,5.469) 113.607,5.461 113.607,1.394 113.139,0.925 72.475,0.925
+TX: C51.2 C52.1 C55.2 C56.1 C83.2 C84.2 K11.1 K13.1 U3.1 VT1.3 | length 127.9
  Top Layer w0.4: C84.2 72.875,51.3 ; C83.2 72.875,51.3 ; K13.1 v2(75.875,51.3) 72.875,51.3
  Top Layer w0.6: C52.1 C51.2 112.275,43.925 K11.1 ; K11.1@112.25,46.65 K11.1 ; v2@112.275,49.2 K11.1
  Top Layer w0.8: v2(120.175,8.425) C55.2 121.85,9.725 122.425,10.3 126.1,10.3 127.65,8.75 C56.1
  Bottom Layer w0.4: v2(75.875,51.3) 80.6,51.3 83.275,53.975 83.275,56.375 84.425,57.525 91,57.525 95.1,53.425 110.5,53.425 112.3,51.625 v2(112.3,49.2) 119.625,49.2 124.8,44.025 124.8,9.4 123.86,8.46 U3.1 122.065,8.45 120.175,8.45 VT1.3@118.45,8.45
GND: C1.1 C2.1 C3.1 C4.1 C5.1 C6.2 C7.2 C8.2 C9.2 C10.2 C16.2 C17.2 C18.2 C19.2 C20.2 C26.2 C27.2 C28.2 C29.2 C30.2 C31.1 C32.1 C33.2 C34.2 C40.1 C41.1 C42.1 C51.1 C52.2 C53.2 C54.1 C55.1 C56.2 C59.2 C60.1 C63.1 C64.2 C65.2 C70.2 C71.2 C72.1 C73.1 C76.2 C80.1 C81.1 C82.1 C83.1 C84.1 K1.2 K1.7 K2.2 K2.7 K3.2 K3.7 K4.2 K4.7 K5.2 K5.7 K6.2 K6.7 K7.2 K7.7 K8.2 K8.7 K9.2 K9.7 K10.2 K10.7 K11.8 K13.8 pad.3 R1.2 R2.2 R4.1 R5.1 R6.2 R8.2 R9.1 R11.1 R12.1 R18.1 R31.2 R32.2 R33.2 T1.3 TR1.5 TR1.7 TR3.7 U3.2 VD3.2 VT2.3 VT3.3 VT4.3 VT5.2 VT6.2 X1.2@126.385,47.41 X1.2@126.385,52.49 X1.2@131.465,47.41 X1.2@131.465,52.49 X1.10 X2.2 X3.2 X5.1
  other v1: 7.05,1 12.05,1 17.05,1 22.05,1 32.05,1 37.05,1 42.05,1 47.05,1 52.05,1 57.05,1 117.05,1 122.05,1 127.05,1 9.55,6 14.55,6 19.55,6 24.55,6 29.55,6 34.55,6 39.55,6 44.55,6 49.55,6 54.55,6 89.55,6 94.55,6 109.55,6 124.55,6 129.55,6 134.55,6 2.05,11 22.05,11 67.05,11 72.05,11 77.05,11 87.05,11 97.05,11 4.55,16 14.55,16 84.55,16 89.55,16 134.55,16 2.05,21 7.05,21 22.05,21 72.05,21 77.05,21 92.05,21 97.05,21 102.05,21 132.05,21 39.55,26 49.55,26 59.55,26 69.55,26 79.55,26 129.55,26 17.05,31 27.05,31 37.05,31 47.05,31 72.05,31 97.05,31 107.05,31 112.05,31 117.05,31 39.55,36 49.55,36 59.55,36 69.55,36 74.55,36 79.55,36 89.55,36 94.55,36 27.05,41 37.05,41 47.05,41 72.05,41 77.05,41 87.05,41 92.05,41 102.05,41 107.05,41 112.05,41 117.05,41 122.05,41 132.05,41 54.55,46 64.55,46 109.55,46 124.55,46 129.55,46 22.05,51 122.05,51 64.55,56 74.55,56 79.55,56 134.55,56
  other v2: 109.45,59.75
LPF: K1.4 K1.5 K2.4 K2.5 K3.4 K3.5 K4.4 K4.5 K5.4 K5.5 K13.3 K13.6 | length 97
  Top Layer w1.5: K1.4 K1.5 ; K2.4 K2.5 ; K3.4 K3.5 ; K4.4 K4.5 ; K5.5 K5.4 70.075,46.05 71.45,44.675 80.075,44.675 81.3,45.9 K13.3 K13.6
  Bottom Layer w1.5: v3(28.15,52.288) v3@70.012,52.288
  other v3: 38.65,52.263 49.1,52.263 59.6,52.263 70.05,52.288
Net_RX/TX: K11.2 K13.2 K13.7 | length 53.2
  Top Layer w0.6: K13.2 K13.7 ; K11.2 115.475,50.425 v2(115.5,50.45)
  Bottom Layer w0.4: v2(79.05,52.625) 80.95,52.625 82.475,54.15 82.475,56.5 84.225,58.25 91.4,58.25 95.475,54.175 111.775,54.175 v2(115.5,50.45)
Net_Z1: C66.2 R26.1 R29.2 VT5.1 | length 32.8
  Top Layer w0.4: 97.55,36.875 97.45,36.975 97.45,55.325 97.9,55.775 v2@98.975,55.775
  Top Layer w0.8: C66.2 99.275,38.55 98.1,38.55 97.55,38 97.55,36.875 97.55,33.725 98,33.275 R26.1 ; VT5.1 VT5.1@99.7,30.453
  Top Layer w1.8: VT5.1@99.7,30.453 R26.1@99.7,32.825
  Bottom Layer w0.4: v2(98.9,55.8) 100.4,55.8 R29.2
Net_Z2: C67.2 R27.1 R30.2 VT6.1 | length 48.6
  Top Layer w0.4: v2(107.975,52.05) 107.975,53.975 v2(109.75,55.75)
  Top Layer w1: R27.1@104.85,22.425 107.125,22.425 107.55,22 107.55,17.625 106.625,16.7 C67.2 ; R27.1@104.925,21.975 R27.1@104.925,22.35
  Top Layer w1.8: R27.1@104.85,22.425 VT6.1
  Bottom Layer w0.4: VT6.1 106.825,24.875 107.95,26 v2@107.95,51.975 ; v2@109.725,55.75 R30.2
NetC6_1: C6.1 C11.2 K1.3 K1.6 L5.1 | length 14.1
  Top Layer w1.5: L5.1 25.95,45.821 K1.3 K1.6
  Bottom Layer w1: C6.1@21.325,41.575 C11.2@23.85,41.575
NetC7_1: C7.1 C12.2 K2.3 K2.6 L1.1 | length 14.1
  Top Layer w1.5: L1.1 36.431,45.827 K2.3 K2.6
  Bottom Layer w1: C7.1@31.8,41.575 C12.2@34.325,41.575
NetC8_1: C8.1 C13.2 K3.3 K3.6 L2.1 | length 14.1
  Top Layer w1.5: L2.1 46.912,45.792 K3.3 K3.6
  Bottom Layer w1: C8.1@42.3,41.575 C13.2@44.825,41.575
NetC9_1: C9.1 C14.2 K4.3 K4.6 L3.1 | length 14
  Top Layer w1.5: L3.1 57.394,45.706 K4.3 K4.6
  Bottom Layer w1: C9.1@52.875,41.575 C14.2@55.4,41.575
NetC10_1: C10.1 C15.2 K5.3 K5.6 L4.1 | length 14.2
  Top Layer w1.5: L4.1 67.875,45.762 K5.3 K5.6
  Bottom Layer w1: C10.1 C15.2 C15.2@65.928,41.575
NetC11_1: C11.1 C16.1 C21.2 L5.2 L6.1 | length 4.7
  Bottom Layer w1: C16.1 23.723,36.488 L5.2 23.75,38.55 C11.1
NetC12_1: C12.1 C17.1 C22.2 L1.2 L7.1 | length 4.7
  Bottom Layer w1: C17.1 34.198,36.487 L1.2 ; C12.1@34.3,38.3 C12.1
  Bottom Layer w1.5: L1.2 34.25,36.54 34.25,38.25 C12.1@34.3,38.3
NetC13_1: C13.1 C18.1 C23.2 L2.2 L8.1 | length 4.7
  Bottom Layer w1: C18.1 44.715,36.488 L2.2 ; C13.1@44.725,38.275 C13.1
  Bottom Layer w1.5: C13.1@44.725,38.275 44.742,38.258 L2.2
NetC14_1: C14.1 C19.1 C24.2 L3.2 L9.1 | length 4.7
  Bottom Layer w1: C19.1 55.282,36.487 L3.2 ; C14.1@55.325,38.275 C14.1
  Bottom Layer w1.5: L3.2 55.309,38.259 C14.1@55.325,38.275
NetC15_1: C15.1 C20.1 C25.2 L4.2 L10.1 | length 4.3
  Bottom Layer w1: C20.1 65.707,36.488 L4.2
  Bottom Layer w1.5: L4.2 65.75,36.531 C15.1@65.75,38.275
NetC21_1: C21.1 C26.1 K6.3 K6.6 L6.2 | length 16.4
  Top Layer w1.5: L6.2 25.95,24.114 K6.6 K6.3
  Bottom Layer w1: C26.1@21.225,28.384 C21.1@23.75,28.384
  Bottom Layer w1.5: L6.2@23.734,26.34 23.734,27.859
NetC22_1: C22.1 C27.1 K7.3 K7.6 L7.2 | length 16.4
  Top Layer w1.5: L7.2 36.45,24.114 36.45,21.375 K7.3@36.45,14.875
  Bottom Layer w1: C27.1@31.75,28.384 C22.1@34.275,28.384
  Bottom Layer w1.5: L7.2@34.259,26.34 34.259,27.859
NetC23_1: C23.1 C28.1 K8.3 K8.6 L8.2 | length 16.4
  Top Layer w1.5: L8.2@44.7,26.364 46.925,24.139 46.925,21.4 K8.3@46.925,14.9
  Bottom Layer w1: C28.1@42.2,28.384 C23.1@44.725,28.384
  Bottom Layer w1.5: L8.2@44.709,26.34 44.709,27.859
NetC24_1: C24.1 C29.1 K9.3 K9.6 L9.2 | length 16.4
  Top Layer w1.5: L9.2 57.394,24.254 K9.6 K9.3
  Bottom Layer w1: C29.1@52.775,28.384 C24.1@55.3,28.384
  Bottom Layer w1.5: L9.2@55.284,26.34 55.284,27.859
NetC25_1: C25.1 C30.1 K10.3 K10.6 L10.2 | length 16.4
  Top Layer w1.5: L10.2 67.875,24.198 K10.6 K10.3
  Bottom Layer w1: C30.1 C25.1
  Bottom Layer w1.5: L10.2 65.734,27.859
NetC33_1: C33.1 R3.1 VD1.2 | length 4.4
  Bottom Layer w0.4: C33.1 24.575,4.1 VD1.2 24.7,2.175 R3.1
NetC34_1: C34.1 R7.1 VD2.2 | length 4.2
  Bottom Layer w0.4: C34.1 22.525,8.275 VD2.2 24.7,10.15 R7.1
NetC57_1: C57.1 T1.2 | length 8.1
  Top Layer w0.6: C57.1 126.025,33.1 127.886,31.239 T1.2
NetC57_2: C57.2 R15.2 R19.2 VT3.2 | length 9
  Top Layer w0.6: VT3.2 119.925,35.55 R19.2 120.05,31.125 120.55,30.625 R15.2
NetC58_1: C58.1 T1.4 | length 13.8
  Top Layer w0.6: C58.1 127,20.025 127.875,20.9 T1.4
NetC58_2: C58.2 R16.1 R20.2 VT4.2 | length 9.1
  Top Layer w0.6: VT4.2 119.95,18 R20.2 120.125,19.925 C58.2 120.025,22.05 120.675,22.7 R16.1
NetC59_1: C59.1 R15.1 R16.2 R17.1 R18.2 VD3.1 | length 10.6
  Top Layer w0.6: R17.1 123.875,28.625 R15.1 121.525,28.4 VD3.1 121.525,24.925 R16.2 126.025,24.7 C59.1
NetC61_1: C61.1 R19.1 | length 2.4
  Top Layer w0.6: R19.1 120.05,39.675 C61.1
NetC61_2: C61.2 R22.1 TR2.1 VT3.1 | length 28.2
  Top Layer w0.6: TR2.1 110.55,29.3 110.55,34.55 VT3.1 113.675,37.675 113.675,39.075 114.4,39.8 C61.2
  Top Layer w1: R22.1 108.5,38.6 VT3.1
NetC62_1: C62.1 R20.1 | length 2.5
  Top Layer w0.6: R20.1 120.125,13.5 C62.1
NetC62_2: C62.2 R23.1 TR2.4 VT4.1 | length 30.9
  Top Layer w0.6: VT4.1@110.3,17.275 TR2.4 ; VT4.1 113.7,15.85 113.7,14.25 114.55,13.4 C62.2
  Top Layer w1: R23.1 99.35,15.375 100.275,14.45 108,14.45 VT4.1
NetC63_2: C63.2 R21.2 TR2.2 TR2.3 | length 9.7
  Top Layer w0.6: TR2.3 117.296,26.8 R21.2 C63.2
  Bottom Layer w0.6: TR2.2 114.3,25.8 TR2.3
NetC66_1: C66.1 R22.2 | length 1.9
  Top Layer w1: C66.1 R22.2
NetC67_1: C67.1 R23.2 | length 1.9
  Top Layer w1: R23.2 C67.1
NetC68_1: C68.1 R26.2 | length 5.1
  Top Layer w1: R26.2 C68.1
NetC68_2: C68.2 JP1.1 VT5.3 | length 19.5
  Top Layer w1.8: VT5.3 C68.2@104.897,32.775
  Bottom Layer w2: JP1.1 103.025,38.45 104.897,36.578 VT5.3
NetC69_1: C69.1 R27.2 | length 5.3
  Top Layer w1: C69.1 R27.2@104.925,18.975
NetC69_2: C69.2 JP2.1 VT6.3 | length 13.8
  Top Layer w1.8: C69.2@99.65,22.425 VT6.3
  Bottom Layer w2: JP2.1 94.603,23.103 96.375,24.875 VT6.3
NetC70_1: C70.1 C71.1 DR1.1 TR3.5 | length 32.3
  Top Layer w2: DR1.1 79.6,17.175 81.75,19.325 81.75,22.698 85.602,26.55 TR3.5@86.1,26.55
  Bottom Layer w1: DR1.1 74.75,17.075 C71.1 C70.1
  Bottom Layer w2: TR3.5@86.1,26.55 90.1,26.55 TR3.5@94.35,30.8
NetC72_2: C72.2 R25.3 R33.1 | length 4.2
  Bottom Layer w0.4: R33.1 105.025,57.874 R25.3 R25.3 C72.2
NetC73_2: C73.2 R28.3 R32.1 | length 4.3
  Bottom Layer w0.4: R32.1 116.525,55.725 C73.2 116.555,55.755 R28.3
NetC74_1: C74.1 JP2.2 TR3.2 | length 8.3
  Bottom Layer w2: TR3.2 91.875,17.525 JP2.2@92.003,17.525
NetC74_2: C74.2 TR3.4
NetC75_1: C75.1 JP1.2 TR3.1 | length 10
  Bottom Layer w0.4: 92,33.8 92.063,33.863
  Bottom Layer w2: C75.1 92,33.8 TR3.1 ; 92.063,33.863 JP1.2
NetC75_2: C75.2 TR3.3 | length 7.4
  Bottom Layer w1.5: TR3.3 83.375,27.8 84.225,28.65 84.225,28.675 86.325,30.775 C75.2@89.025,30.775
NetC77_1: C77.1 C79.1 K12.3 K12.6 K13.4 K13.5 | length 34.1
  Top Layer w1.5: K13.5 K13.4 83.5,45.825 84.6,44.725 92.475,44.725 93.35,45.6 K12.3 K12.6 93.35,56.175 94.125,56.95 C77.1 C79.1@94.125,60.225
NetC77_2: C77.2 C79.2 K12.2 K12.7 TR3.6 | length 38.6
  Top Layer w1.5: K12.2 K12.7 C77.2 C79.2@91.125,60.225
  Bottom Layer w2: TR3.6 82.85,41.925 85.05,44.125 89.775,44.125 91.125,45.475 91.125,54.275
  other v3: 91.125,49.9 91.125,51.338 91.125,52.775
NetC78_1: C78.1 D1.3 K12.8 | length 30.7
  Top Layer w0.4: D1.3 85.725,58.55 v2(87.925,56.35)
  Top Layer w0.6: K12.8 v2(87.925,56.35)
  Bottom Layer w0.6: v2(87.925,56.35) 87.925,54.875 88.875,53.925 C78.1
NetK3_3: K11.3 X1.1@128.925,49.95 | length 13.8
  Top Layer w0.6: K11.3 117.7,48.65 119,49.95 X1.1@128.925,49.95
NetK6_4: K6.4 K6.5 K7.4 K7.5 K8.4 K8.5 K9.4 K9.5 K10.4 K10.5 TR1.4 | length 104.3
  Top Layer w1.5: K6.4 K6.5 ; K7.4 K7.5 ; K8.4 K8.5 ; K9.4 K9.5 ; K10.4 K10.5
  Bottom Layer w1.5: TR1.4 5.275,12.875 10.525,18.125 v3@70.075,18.125
  other v3: 59.625,18.088 38.65,18.113 49.1,18.113 70.125,18.113 28.125,18.138
NetK11_4: K11.4 R9.2 R10.1 | length 16.8
  Top Layer w0.6: K11.4 119.975,46.55 122.05,46.55 129.5,39.1 129.5,36.925 R10.1
NetR1_1: R1.1 R2.1 TR1.1 VD1.1 | length 13.8
  Bottom Layer w0.4: TR1.1 14.8,4.275 VD1.1@17.75,4.275 ; R2.1@11.025,13.538 R2.1
  Bottom Layer w1: TR1.1 R2.1@11.025,13.538
NetR3_2: R3.2 R4.2 X3.3 | length 6.8
  Bottom Layer w0.4: R3.2 26.85,2.025 R4.2 31.707,2.025 X3.3
NetR5_2: R5.2 R7.2 X3.1 | length 7.1
  Bottom Layer w0.4: R7.2 26.85,10.3 R5.2 30.994,10.3 X3.1
NetR6_1: R6.1 R8.1 TR1.2 TR1.8 VD2.1 | length 36.3
  Top Layer w0.4: TR1.2 17.525,19.475 VD2.1
  Bottom Layer w0.4: TR1.8 4.7,23.25 11.025,23.25 R6.1 ; R8.1@10.962,19.95 R8.1@10.962,20.3
  Bottom Layer w1: R8.1@11.025,20.363 11.025,23.25 TR1.2
NetR10_2: R10.2 R11.2 T1.1 | length 10.1
  Top Layer w0.6: R11.2@129.375,34.725 129.525,34.875 131.375,34.875 R10.2@131.386,34.886 ; T1.1 R10.2@131.386,34.886 ; R10.2 R10.2@131.386,34.886
NetR12_2: R12.2 R14.2 VT2.1 | length 6.8
  Bottom Layer w0.4: R14.2 R12.2 111.244,11.625 VT2.1
NetR13_1: R13.1 VT1.1 VT2.2 | length 8.8
  Bottom Layer w0.4: R13.1 115.742,7.425 VT1.1 115.813,7.495 116.62,7.495 116.95,7.825 116.95,9.275 118.192,10.517 VT2.2
NetR24_2: R24.2 R25.1 R28.1 R31.1 | length 17.3
  Bottom Layer w0.4: R25.1 99.944,60.069 101.169,60.069 102.2,61.1 109.025,61.1 111.3,61.1 111.475,60.925 R24.2@111.475,59.85
  Bottom Layer w0.6: R28.1 R24.2@111.475,59.85
NetR25_2: R25.2 R29.1 | length 2.1
  Bottom Layer w0.4: R29.1 102.45,57.841 R25.2
NetR28_2: R28.2 R30.1 | length 2.1
  Bottom Layer w0.4: R30.1@113.55,56 114.015,56.465 R28.2
NetTR1_3: TR1.3 TR1.6 X2.1 | length 17.2
  Top Layer w2: TR1.3 6.875,25.975 7.65,26.75 X2.1@7.65,30.35
  Bottom Layer w0.4: TR1.3 7.425,28.125 12.325,28.125 TR1.6
NetTR3_8: TR3.8 TR3.9 | length 9.1
  Bottom Layer w2: TR3.9 75.625,30.8 TR3.8
POWER: C76.1 C80.2 C81.2 DR1.2 X5.2 | length 20.6
  Top Layer w1: X5.2 87.824,8.899 C76.1
  Bottom Layer w0.4: C81.2 84.125,8 84.15,8 C80.2
  Bottom Layer w2: DR1.2 84.15,9.7 84.15,8 X5.2
RX/TX: R14.1 X1.8 | length 48.5
  Bottom Layer w0.4: X1.8 71.195,5.85 73.65,5.85 77.65,1.85 110.225,1.85 111.219,2.844 R14.1
pads on no net: C53. C56. C76. D1. K11.5 K11.6 K11.7 K12.4 K12.5 R25.4 R28.4 U3. VD3.4 VT1. VT2. VT3. VT4. X1.6 X1.7 X3.28 X5.13

## Polygon pours and split planes (outlines as drawn)
GND on Top Layer "GND_L01_P000" (solid, remove dead copper, pour order 0): 0,33.625 17.35,33.625 17.35,62 136.3,62 136.3,0 0,0
GND on Bottom Layer "Bottom Layer-GND" (solid, remove dead copper, pour order 2): 17.35,62 136.3,62 136.3,0 0,0 0,33.625 17.35,33.625

## Keep-outs
Keep-Out Layer:
  lines w0.2: 0,3.375 ccw(c3.375,3.375) 3.375,0 132.925,0 ccw(c132.925,3.375) 136.3,3.375 136.3,58.625 ccw(c132.925,58.625) 132.925,62 20.725,62 ccw(c20.725,58.625) 17.35,58.625 17.35,33.625 0,33.625 0,3.375 ; 97.85,2.675 97.85,12.675 106.6,12.675 106.6,2.675 97.85,2.675 ; 97.95,42.65 97.95,52.65 106.7,52.65 106.7,42.65 97.95,42.65

## Other copper
Top Layer:
  rectangle net NetK6_4: 69.325,13.375 70.825,22.9
  rectangle net NetC25_1: 67.125,13.35 68.625,14.925
  rectangle net NetK6_4: 58.85,13.375 60.35,23
  rectangle net NetC24_1: 56.65,13.35 58.15,14.925
  rectangle net NetK6_4: 48.375,13.375 49.875,22.95
  rectangle net NetC23_1: 46.175,13.375 47.675,14.95
  rectangle net NetK6_4: 37.875,13.375 39.375,22.975
  rectangle net NetC22_1: 35.7,13.375 37.2,14.95
  rectangle net NetK6_4: 27.4,13.5 28.9,23
  rectangle net NetC21_1: 25.2,13.5 26.7,15.075
  rectangle net NetC7_1: 35.675,54.425 37.175,56
  rectangle net NetC6_1: 25.2,54.45 26.7,56.025
  rectangle net NetC77_2: 90.375,47 91.875,48.575
  rectangle net NetC77_1: 93.375,59.45 94.875,61.025
  rectangle net NetC77_2: 90.375,59.45 91.875,61.025
  rectangle net NetC77_1: 82.75,54.05 84.25,55.625
  rectangle net LPF: 80.55,54.05 82.05,55.625
  rectangle net LPF: 69.325,54.45 70.825,56.025
  rectangle net NetC10_1: 67.125,46.475 68.625,56
  rectangle net NetC9_1: 56.65,46.5 58.15,56.025
  rectangle net LPF: 58.85,46.5 60.35,56.025
  rectangle net LPF: 48.375,46.475 49.875,56
  rectangle net NetC8_1: 46.15,46.475 47.675,56
  rectangle net LPF: 37.875,46.5 39.375,56.025
  rectangle net LPF: 27.4,46.5 28.9,56.025
  rectangle net Net_Z2: 103.95,21.475 105.75,22.75
  rectangle net NetC69_2: 98.75,21.475 100.55,22.625
  pour cut-out: 100.625,39.625 100.625,37.183 100.633,37.175 106.045,37.175 106.045,39.545 106.125,39.625
  pour cut-out: 98.45,18.075 98.458,18.067 103.925,18.067 103.925,16.08 103.845,16 103.726,16.119 100.275,16.119 100.275,17.328 99.878,17.725 98.45,17.725
Bottom Layer:
  rectangle net NetC11_1: 22.725,30.85 24.75,39.125
  rectangle net NetC12_1: 33.3,30.875 35.325,39.125
  rectangle net NetC13_1: 43.725,30.875 45.75,39.05
  rectangle net NetC14_1: 54.325,30.85 56.35,39.05
  rectangle net NetC15_1: 64.725,30.9 66.75,39.15
  rectangle net NetC6_1: 23.05,41.075 24.85,44.775
  rectangle net NetC7_1: 33.525,41.075 35.325,44.775
  rectangle net NetC8_1: 44.025,41.075 45.825,44.775
  rectangle net NetC9_1: 54.6,41.075 56.4,44.775
  rectangle net NetC10_1: 64.95,41.075 66.85,44.775
  rectangle net NetC75_2: 88.65,30.025 89.95,31.5
  rectangle net NetC74_2: 73.975,22.35 78.05,24.25
  rectangle net NetC74_1: 80.025,22.3 86.95,24.3

## Silkscreen, mask and mechanical layers (free items; w line width, h text height)
Top Overlay:
  text "https://t.me/TRX_Wolf" at 68.175,59.85 h2
  text "PA_UNIT     Rev.1.1" at 26.05,58.775 h3
  text "I-vt5" at 100.65,53.6 h2
  text "I-vt6" at 112.025,53.45 h2
  text "+" at 83.575,9.85 h4
  text "4" at 64.475,8.925 h1.52
  text "6" at 67.025,8.925 h1.52
  text "2" at 61.825,8.825 h1.52
  text "GND" at 73.08,8.825 h1.52 r90
  text "TX" at 70.325,8.725 h1.52 r90
  text "5" at 67.089,1.75 h1.52
  text "+12" at 71.325,1.725 h1.52
  text "1" at 61.925,1.7 h1.52
  text "7" at 69.65,1.65 h1.52
  text "3" at 64.525,1.55 h1.52